# KiCad board XMS0004.kicad_pcb (continued)
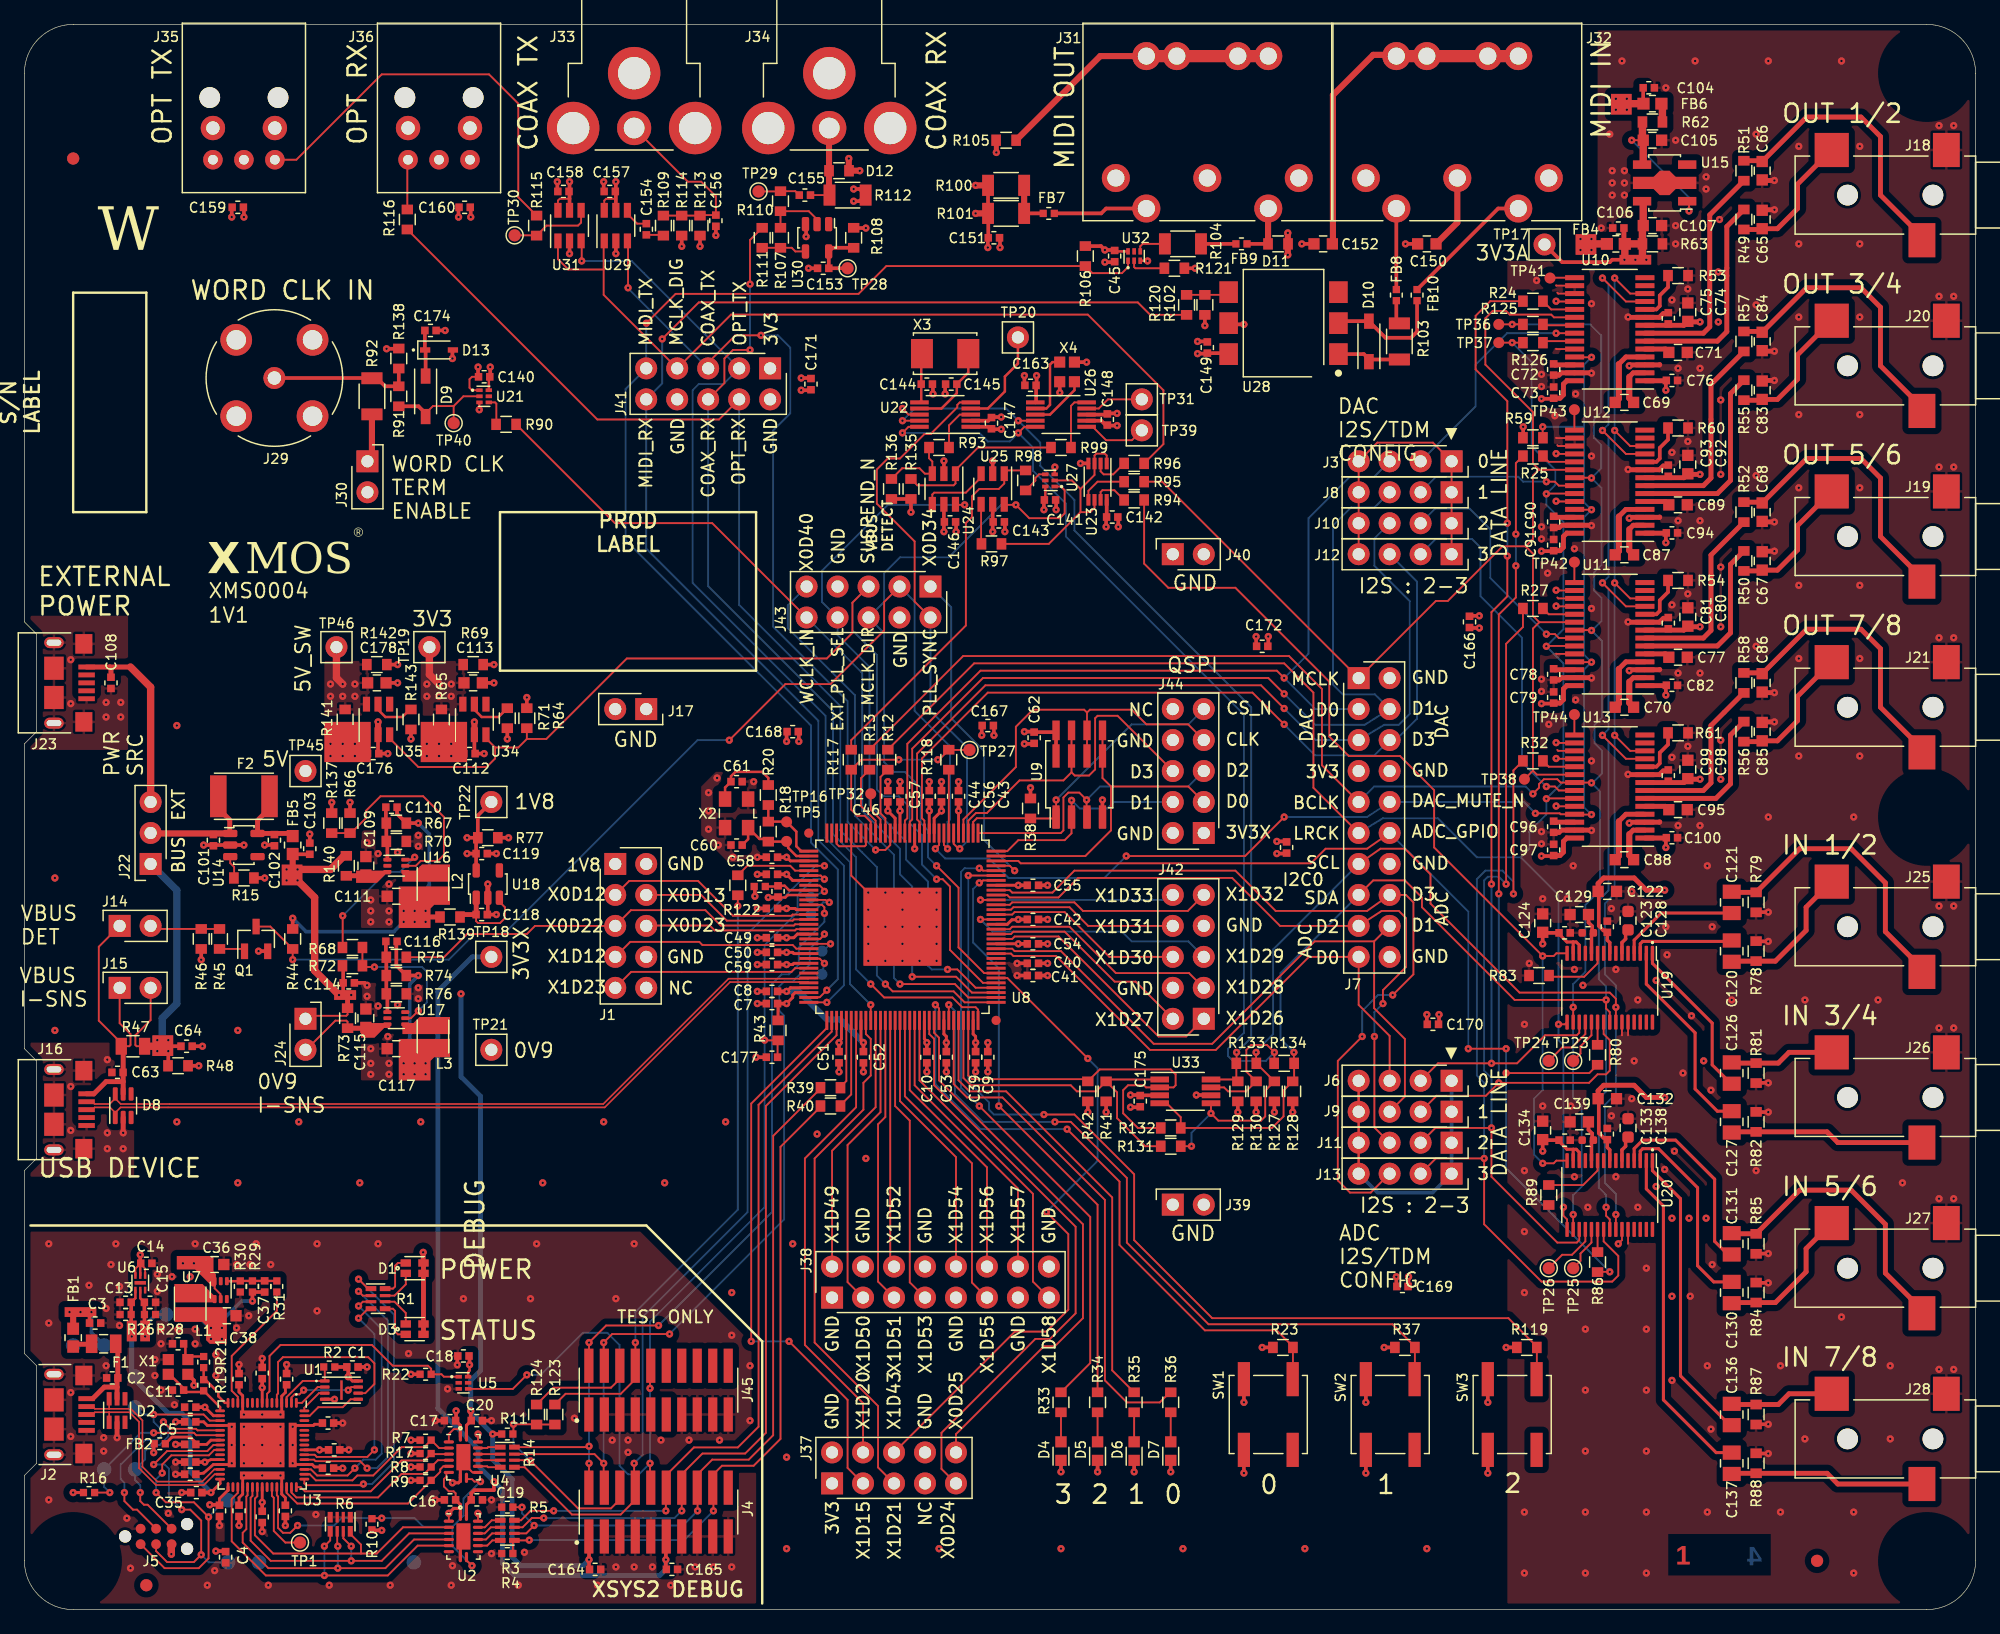
[diagram p0: board, top side]
## Routing (per net, layer and track width the routed paths; a pad name or vN(x,y) marks a point on that pad's centre or on a via; arc(x,y) is an arc through that point) (continued)
  Layer 4 (Bottom) w0.15: v1(128.5,67.8) 128.55,67.75 ; 128.55,67.75 129.35,68.55 129.35,70.45 128.75,71.05 128.75,72.55 129.35,73.15 129.35,79.45 128.55,80.25 ; 128.55,67.75 129.2,67.1 129.2,59 128,57.8 128,52.3 127,51.3 v1(127,49.4) 127,42 127.7,41.3 127.7,34.7 127,34 v1(127,32.4) ; 128.53,80.28 129.33,81.08 129.33,82.98 128.73,83.58 128.73,85.08 129.33,85.68 129.33,91.98 128.53,92.78 ; v1(123.7,66.9) 123.1,67.5 110.68,67.5 J7.9 ; v1(128.5,92.8) 129.3,93.6 129.3,95.5 128.7,96.1 128.7,97.6 129.3,98.2 129.3,104.5 128.4,105.4 v1(122,105.4)
BUT_0: length 51.9
  Layer 1 (Top) w0.15: U8.88 75,49.3 v1(74.7,49.6) ; v1(85.5,39.4) 89.8,35.1 89.8,29.9 96.8,22.9 102.69,22.9 104.02,21.57 104.02,18.92 SW1.1A
  Layer 4 (Bottom) w0.15: v1(85.5,39.4) 78.4,39.4 74.7,43.1 v1(74.7,49.6)
BUT_1: length 60.9
  Layer 1 (Top) w0.15: v1(84.5,40) 85.8,40 90.4,35.4 90.4,30.1 97.1,23.4 112.19,23.4 114.02,21.57 114.02,18.92 SW2.1A ; U8.90 v1(75.8,49.6)
  Layer 4 (Bottom) w0.15: v1(75.8,49.6) 76.3,49.1 76.3,42.3 78.6,40 v1(84.5,40)
BUT_2: length 81
  Layer 1 (Top) w0.15: v1(77.4,60.2) U8.123 ; SW3.1A 124.02,18.92 R119.1 124.02,21.57 121.69,23.9 97.4,23.9 91,30.3 91,35.7 86.1,40.6 v1(83.6,40.6)
  Layer 4 (Bottom) w0.15: v1(77.4,60.2) 77.4,43.3 79.1,41.6 79.1,41 79.5,40.6 v1(83.6,40.6)
COAX_RX: length 80.8
  Layer 1 (Top) w0.15: 78.17,48.35 U8.96 78.2,49.2 78,49.4 76.9,49.4 76.1,50.2 70.5,50.2 v1(69.4,51.3) ; v1(59.5,103.3) 58.1,103.3 57.4,102.6 57.4,100.58 J41.6 ; R111.2 59.5,112.32 v1(59.5,108.7)
  Layer 4 (Bottom) w0.15: v1(69.4,51.3) 68.2,52.5 68.2,61.7 66.3,63.6 66.3,73.7 56.07,83.93 J41.6 ; v1(59.5,103.3) v1(59.5,108.7)
COAX_TX: length 69.3
  Layer 1 (Top) w0.15: v1(69.8,62.3) 70.6,62.3 71,62.7 U8.19 ; J41.5 56.07,102.27 58.3,104.5 v1(60.4,104.5) ; v1(49.5,108.4) 49.5,112.2 U29.3
  Layer 4 (Bottom) w0.15: v1(69.8,62.3) 67.5,64.6 67.5,74.5 61.4,80.6 61.4,96.7 62.8,98.1 62.8,103.5 61.8,104.5 v1(60.4,104.5) ; v1(49.5,108.4) 49.5,108.36 J41.5
DAC_D0: length 19
  Layer 1 (Top) w0.15: v1(125.6,104.68) U10.22
  Layer 4 (Bottom) w0.15: v1(125.6,104.68) 121.58,104.68 119,102.1 119,98.68 J3.2
DAC_D1: length 13.5
  Layer 1 (Top) w0.15: v1(124.8,92.5) 125.5,92.5 125.83,92.18 U12.22
  Layer 4 (Bottom) w0.15: v1(124.8,92.5) 122.9,92.5 122.5,92.9 115.76,92.9 J8.2
DAC_D2: length 19.9
  Layer 1 (Top) w0.15: v1(124.8,80) 125.5,80 125.83,79.68 U11.22
  Layer 4 (Bottom) w0.15: J10.2 115.7,90.3 118.5,90.3 120.2,88.6 120.2,84.6 v1(124.8,80)
DAC_D3: length 30
  Layer 1 (Top) w0.15: U13.22 125.83,67.18 125.5,67.5 v1(124.8,67.5)
  Layer 4 (Bottom) w0.15: v1(124.8,67.5) 122.8,69.5 122.8,79.7 119.4,83.1 119.4,87.1 118.7,87.8 115.74,87.8 J12.2
DAC_MUTE_N: length 106.5
  Layer 1 (Top) w0.15: v1(124.5,97) 124.5,96.12 R59.1 ; U12.25 127.15,90.2 v1(128.5,90.2) ; v1(128.5,77.7) 127.15,77.7 U11.25 ; U8.9 75,62.7 v1(74.7,62.4) ; v1(128.5,65.2) 127.15,65.2 U13.25 125.98,65.23 125.9,65.3 v1(123.9,65.3) ; v1(90.35,61.8) 100.1,61.8 v1(103.3,65) ; v1(128.5,102.7) 127.15,102.7 U10.25
  Layer 4 (Bottom) w0.15: v1(74.7,62.4) 75.5,61.6 79.1,61.6 80.7,60 88.55,60 v1(90.35,61.8) ; 127.9,97 127.9,102.1 v1(128.5,102.7) ; 127.9,97 127.9,90.8 v1(128.5,90.2) 127.9,89.6 127.9,78.3 v1(128.5,77.7) 127.9,77.1 127.9,65.8 v1(128.5,65.2) ; 127.9,97 v1(124.5,97) ; v1(103.3,65) 110.1,65 J7.10 122.97,66.23 v1(123.9,65.3)
DBG_MARGIN: length 10.8
  Layer 1 (Top) w0.15: U3.13 17.5,17.45 17,17.95 17,20.8 20.7,24.5 R31.1
DBG_QSPI_CLK: length 15
  Layer 1 (Top) w0.15: U1.6 27.95,17.75 28.7,18.5 28.7,20.2 28.2,20.7 21.2,20.7 20.8,20.3 20.8,17.73 20.7,17.63 U3.5
DBG_QSPI_CS_N: length 5.3
  Layer 1 (Top) w0.15: R2.1 24.63,19.82 U1.1 22.83,18.75 21.5,17.43 U3.3
DBG_QSPI_D0: length 5
  Layer 1 (Top) w0.15: U3.59 23.4,15.9 24.1,16.6 26.1,16.6 26.75,17.25 U1.5
DBG_QSPI_D1: length 2.9
  Layer 1 (Top) w0.15: U1.2 24.05,18.25 22.75,16.96 U3.1
DBG_QSPI_D2: length 2.4
  Layer 1 (Top) w0.15: U1.3 24.15,17.75 22.95,16.56 U3.60
DBG_QSPI_D3: length 6.3
  Layer 1 (Top) w0.15: v1(22.9,18) 22.55,17.65 22.15,17.65 21.9,17.4 U3.2 ; v1(26.55,18) 26.8,18.25 U1.7
  Layer 4 (Bottom) w0.15: v1(22.9,18) v1(26.55,18)
DBG_USB_D_N: length 17
  Layer 1 (Top) w0.13: U3.28 15.58,11.5 14.58,10.5 10.9,10.5 9.68,11.72 9.68,15.52 8.73,16.47 6.95,16.47 ; 6.95,16.47 D2.6 ; 6.95,16.47 5.78,16.47 5.6,16.65 J2.2
DBG_USB_D_P: length 16.9
  Layer 1 (Top) w0.13: J2.3 5.6,16 5.78,16.19 6.95,16.19 ; U3.29 15.6,11.1 14.72,10.22 10.78,10.22 9.4,11.6 9.4,15.4 8.61,16.19 6.95,16.19 ; D2.1 6.95,16.19
DBG_VBUS: length 7.5
  Layer 1 (Top) w0.3: 7.6,18.84 7.7,18.94 ; J2.1 5.6,17.3
  Layer 1 (Top) w0.4: 7.6,18.25 6.55,18.25 5.6,17.3 ; 7.6,18.25 7.6,18.84 ; 7.6,18.25 D2.5 ; C2.1 7.66,21.63 F1.1
EXT_PLL_SEL: length 57
  Layer 1 (Top) w0.15: U24.6 76.4,90.6 v1(77.1,90.6) ; U8.100 78,51 76.5,52.5 v1(75.7,52.5)
  Layer 4 (Bottom) w0.15: v1(75.7,52.5) 74.4,52.5 74.1,52.8 74.1,59.7 72.3,61.5 72.3,63 69.3,66 69.3,77.3 66.68,79.92 J43.8 65.4,82.64 65.4,85.2 70.8,90.6 v1(77.1,90.6)
I2C0_SCL: length 156.4
  Layer 1 (Top) w0.15: J7.13 111.2,62.4 113.2,62.4 115.3,60.3 115.3,57.9 122.6,50.6 130,50.6 130.5,50.1 v1(130.5,49.4) U19.24 ; U12.12 131.68,95.43 v1(130.4,96.7) ; U20.24 v1(130.5,32.4) ; U11.12 131.68,82.93 v1(130.4,84.2) ; U10.12 131.68,107.93 v1(130.4,109.2) ; U13.12 131.68,70.43 v1(130.4,71.7) ; U33.5 97.3,41.52 v1(97.3,40.7) 97.9,40.1 101.4,40.1 101.75,40.45 101.75,42.57 R127.1 R133.2 101,44.82 v1(101,45.7) ; R131.1 v1(95.7,38)
  Layer 4 (Bottom) w0.15: J7.13 102.4,54.14 102.4,47.2 101,45.8 v1(101,45.7) ; v1(97.3,40.7) 95.7,39.1 v1(95.7,38) ; v1(130.4,109.2) v1(130.4,96.7) v1(130.4,84.2) v1(130.4,71.7) 130.4,58.7 129.6,57.9 129.6,52.1 130.5,51.2 v1(130.5,49.4) 130.5,42.3 129.6,41.4 129.6,35 130.5,34.1 v1(130.5,32.4)
I2C0_SDA: length 158.6
  Layer 1 (Top) w0.15: v1(104.1,45.7) 104.1,44.82 R134.2 104.12,43.44 R128.1 103.25,42.57 103.25,40.45 102.3,39.5 R132.1 94.82,40.38 93.68,41.53 U33.4 ; U11.11 131.33,82.28 v1(129.4,84.2) ; U10.11 131.33,107.28 v1(129.4,109.2) ; J7.15 110.6,59.8 113.2,59.8 114.6,58.4 114.6,57.6 122.2,50 v1(129.7,50) 129.7,49.3 130,49 U19.23 ; v1(129.4,96.7) 131.33,94.78 U12.11 ; U13.11 131.33,69.78 v1(129.4,71.7) ; U20.23 130,32 129.7,32.3 v1(129.7,33)
  Layer 4 (Bottom) w0.15: v1(129.7,33) 129.7,34 129.1,34.6 129.1,41.9 129.7,42.5 v1(129.7,50) 129.7,51.1 129.1,51.7 129.1,58.18 129.9,58.98 129.9,71.2 v1(129.4,71.7) 129.9,72.2 129.9,83.7 v1(129.4,84.2) 129.9,84.7 129.9,96.2 v1(129.4,96.7) 129.9,97.2 129.9,108.7 v1(129.4,109.2) ; J7.15 103,52.2 103,46.8 v1(104.1,45.7)
I2C1_SCL: length 77.9
  Layer 1 (Top) w0.15: 99.38,43.44 R133.1 99.4,44.82 v1(99.4,45.7) ; 99.38,43.44 99.35,43.48 U33.8 ; 99.38,43.44 R129.1 ; v1(81.5,97.5) U26.4 ; v1(72,97.5) U22.9
  Layer 4 (Bottom) w0.15: v1(72,97.5) 73,98.5 80.5,98.5 v1(81.5,97.5) 83.3,95.7 83.3,93.8 86.1,91 86.1,88.5 100.6,74 100.6,46.9 v1(99.4,45.7)
I2C1_SDA: length 87.5
  Layer 1 (Top) w0.15: v1(72,96.5) 72.5,97 U22.10 ; U33.7 98.38,42.83 98.7,42.5 100.18,42.5 R130.1 100.2,44.12 100.2,45.9 100.6,46.3 101.9,46.3 v1(102.5,45.7) 102.5,44.82 R134.1 ; v1(81.5,96.5) 82,97 U26.5
  Layer 4 (Bottom) w0.15: v1(72,96.5) 78.3,96.5 79,95.8 80.8,95.8 v1(81.5,96.5) 82.7,95.3 82.7,93.4 85.4,90.7 85.4,88 100,73.4 100,47.3 98.7,46 98.7,45.4 99.1,45 101.8,45 v1(102.5,45.7)
I2C_SCL: length 29.6
  Layer 1 (Top) w0.15: U8.93 77,43.6 77.6,43 85.8,43 86.3,42.5 87.88,42.5 R41.1 ; U33.1 88.86,43.48 R41.1 ; R131.2 91.9,38 89.6,40.3 89.6,42.42 R41.1
I2C_SDA: length 33.3
  Layer 1 (Top) w0.15: U8.94 77.4,43.8 77.7,43.5 87.02,43.5 R42.1 88.18,44.3 94,44.3 94.4,43.9 94.4,43 94.23,42.83 U33.2 91.98,42.83 91.8,43 90.5,43 90.1,42.6 90.1,40.7 91.3,39.5 R132.2
I2S_DAC_LOOP_D0: length 2.9
  Layer 1 (Top) w0.15: U10.19 125.2,106.62 R24.1
I2S_DAC_LOOP_D1: length 2.8
  Layer 1 (Top) w0.15: R25.1 125,94.13 U12.19
I2S_DAC_LOOP_D2: length 2.8
  Layer 1 (Top) w0.15: U11.19 125,81.63 R27.1
I2S_DAC_LOOP_D3: length 2.8
  Layer 1 (Top) w0.15: U13.19 125,69.13 R32.1
LED_0: length 42.8
  Layer 1 (Top) w0.15: R36.2 93.93,17.82 93.1,16.99 90.41,16.99 88.6,18.8 88.6,33.6 80.2,42 77.3,42 76.2,43.1 U8.91
LED_1: length 38.2
  Layer 1 (Top) w0.15: U8.92 76.6,43.4 77.5,42.5 80.5,42.5 89.2,33.8 89.2,19.62 R35.2
LED_2: length 47.7
  Layer 1 (Top) w0.15: v1(79.9,41.3) 88,33.2 R34.2 ; U8.122 78.61,59.8 78.41,59.6 v1(78.3,59.6)
  Layer 4 (Bottom) w0.15: v1(78.3,59.6) 77.8,59.1 77.8,54.7 79.9,52.6 v1(79.9,41.3)
LED_3: length 51.2
  Layer 1 (Top) w0.15: v1(78.3,60.8) 78.41,60.8 78.61,60.6 U8.124 ; R33.2 87.4,20.22 87.4,32.2 v1(78.3,41.3)
  Layer 4 (Bottom) w0.15: v1(78.3,60.8) 77.1,60.8 76.8,60.5 76.8,42.8 v1(78.3,41.3)
LED_A_GRN: length 23.3
  Layer 1 (Top) w0.15: v1(28.1,11.6) 27.52,12.18 23.88,12.18 23.75,12.3 U3.50 ; v1(27.4,26.1) 27.75,25.75 R1.2
  Layer 4 (Bottom) w0.15: v1(28.1,11.6) 28.9,11.6 29.8,12.5 29.8,23.7 v1(27.4,26.1)
LED_A_RED: length 26.1
  Layer 1 (Top) w0.15: R1.1 28.17,26.33 v1(27.4,27.1) ; v1(27.8,10.3) 27.7,10.2 23.1,10.2 22.95,10.35 U3.46
  Layer 4 (Bottom) w0.15: v1(27.8,10.3) 28.5,10.3 30.3,12.1 30.3,24.2 v1(27.4,27.1)
LED_B_GRN: length 18.7
  Layer 1 (Top) w0.15: v1(27.4,23.9) 28.17,24.68 R1.4 ; U3.51 23.8,12.7 23.97,12.53 28.12,12.53 v1(28.7,13.1)
  Layer 4 (Bottom) w0.15: v1(27.4,23.9) 28.7,22.6 v1(28.7,13.1)
LED_B_RED: length 21.3
  Layer 1 (Top) w0.15: v1(27.4,24.9) 27.75,25.25 R1.3 ; v1(27.1,11.6) 26.5,11 24,11 23.5,11.5 U3.48
  Layer 4 (Bottom) w0.15: v1(27.4,24.9) 29.3,23 29.3,12.8 28.8,12.3 27.8,12.3 v1(27.1,11.6)
LRCK: length 155.8
  Layer 1 (Top) w0.15: v1(124.8,91.5) 124.83,91.53 U12.23 ; U20.16 126.5,32 126.2,32.3 v1(126.2,33) ; R126.1 v1(122,103.9) TP37.1 ; J7.11 105.7,67.4 105.7,75.2 103.3,77.6 77.88,77.6 R12.2 ; v1(124.8,66.5) 124.83,66.53 U13.23 ; U11.23 124.83,79.03 v1(124.8,79) ; v1(125.8,48) 126.32,48 U19.16
  Layer 4 (Bottom) w0.15: v1(122,103.9) 123.6,102.3 123.6,95.4 125.53,93.47 125.53,92.23 v1(124.8,91.5) 124.8,90.6 126.2,89.2 126.2,80.4 v1(124.8,79) 126.2,77.6 126.2,67.9 v1(124.8,66.5) 124.8,65.2 123.4,63.8 123.4,62.4 122.7,61.7 ; 122.7,61.7 125.8,58.6 v1(125.8,48) 125.8,46.7 126.2,46.3 v1(126.2,33) ; 122.7,61.7 119.1,61.7 115.9,64.9 111.4,64.9 J7.11
MCLK_ADC: length 78.7
  Layer 1 (Top) w0.15: v1(124.5,36.6) 125.4,36.6 125.62,36.82 U20.15 ; U19.15 125.62,53.82 125.4,53.6 v1(124.5,53.6) 115.6,62.5 115.6,67.2 112.8,70 108.6,70 107,71.6 107,76.1 99.3,83.8 93.8,83.8 91.82,85.78 R94.2 92.1,91
  Layer 4 (Bottom) w0.15: v1(124.5,53.6) 124.5,42.6 123.8,41.9 123.8,37.3 v1(124.5,36.6)
MCLK_DAC: length 100.6
  Layer 1 (Top) w0.15: 124.23,80.98 U11.20 ; 124.23,80.98 123.7,80.45 123.7,68.8 ; 124.23,80.98 123.7,81.5 123.7,86.6 123.1,87.2 ; 124.2,93.5 123.7,94 123.7,98.2 119.8,102.1 119.8,105.9 120.4,106.5 121.5,106.5 121.8,106.2 125.2,106.2 125.43,105.98 U10.20 ; 124.2,93.5 123.7,93 123.7,87.8 123.1,87.2 ; 124.2,93.5 124.23,93.48 U12.20 ; 123.1,87.2 121.2,87.2 116.72,82.72 115.74,82.72 J7.1 93.3,92.5 R95.2 ; TP38.1 123.7,68.8 ; 123.7,68.8 124.03,68.48 U13.20
MCLK_DIG: length 69.5
  Layer 1 (Top) w0.15: 47.5,109.9 47.5,107.82 J41.7 57.94,106.2 87.2,106.2 93.4,100 93.4,95.58 R96.2 ; 47.5,109.9 44.6,109.9 43.75,110.75 U31.1 ; 47.5,109.9 47.5,112.2 U29.1
MCLK_DIR: length 60.3
  Layer 1 (Top) w0.15: U27.1 85,92.1 85.3,91.8 85.3,89.9 84.9,89.5 82.4,89.5 v1(81.3,90.6) 80.4,90.6 U25.6 ; v1(74.8,61) 76.6,59.2 76.6,54.3 78.7,52.2 U8.103
  Layer 4 (Bottom) w0.15: v1(74.8,61) 74.1,61.7 74.1,63.9 73.5,64.5 73.5,67.4 72.2,68.7 71.3,68.7 70.5,69.5 70.5,80.08 J43.6 70.5,82.64 70.5,85 71.8,86.3 75.8,86.3 80.1,90.6 v1(81.3,90.6)
MCLK_X_PIN: length 16.6
  Layer 1 (Top) w0.15: U8.23 69.4,64.6 68.9,65.1 68.3,65.1 67.8,65.6 R117.1 68.62,69.7 v1(71.7,69.7) ; v1(74.9,69.7) 75,69.7 75.8,70.5 TP27.1
  Layer 4 (Bottom) w0.15: v1(71.7,69.7) v1(74.9,69.7)
MCLK_XMOS: length 30.7
  Layer 1 (Top) w0.15: R117.2 67.8,71.3 77.2,80.7 77.2,89.1 77.7,89.6 77.7,91.3 78.3,91.9 79.9,91.9 80.35,92.35 U25.1 80.62,93.42 R98.2 82.05,93.37
MIDI_RX: length 108.4
  Layer 1 (Top) w0.15: R120.2 92.32,106.18 91.3,107.2 55.3,107.2 v1(52.3,104.2) ; U8.64 v1(65.8,49.8)
  Layer 4 (Bottom) w0.15: v1(65.8,49.8) 67.2,51.2 67.2,61 65.1,63.1 65.1,72.9 50.99,87.01 J41.10 52.3,100.56 v1(52.3,104.2)
MIDI_TX: length 107.1
  Layer 1 (Top) w0.15: U32.1 90.5,110.1 90,109.6 87.58,109.6 R106.1 70.68,110.18 68.4,107.9 53.4,107.9 v1(51,105.5) ; U8.63 64.34,50.22 65.22,50.22 v1(65.8,50.8)
  Layer 4 (Bottom) w0.15: v1(65.8,50.8) 66.7,51.7 66.7,60.7 64.5,62.9 64.5,72.5 49.3,87.7 49.3,100.1 J41.9 50.99,105.49 v1(51,105.5)
NetC5_1: length 5.2
  Layer 1 (Top) w0.23: U3.22 15.3,13.9 14.95,13.55 C5.1 14.06,13.69 13.6,14.15 12.1,14.15 FB2.1
NetC6_1: length 3.7
  Layer 1 (Top) w0.2: FB3.1 61.74,59.3 C6.1 62.34,59.36 62.7,59 U8.41
NetC11_1: length 5.7
  Layer 1 (Top) w0.2: 14.8,17.85 16.05,16.61 U3.16 ; R19.1 14.7,17.85 13.21,17.85 C11.1 13.06,18.14 11.91,19.3 X1.1
NetC12_1: length 2.8
  Layer 1 (Top) w0.2: R21.1 13.66,20.76 X1.3 13.2,20.71 13.2,21.66 C12.1
NetC37_2: length 4.1
  Layer 1 (Top) w0.2: U7.1 17.68,26.94 R30.2 R29.1 19.69,26.96 C37.2 19.7,26.96 R31.2
NetC60_1: length 7.9
  Layer 1 (Top) w0.15: 62.63,62.87 TP5.1 62.48,62.98
  Layer 1 (Top) w0.2: 62.63,62.87 62.63,62.47 63.3,61.8 U8.34 ; 58.88,62.68 C60.1 59.35,63.19 X2.1 60.28,63.2 60.78,63.2 R18.1 62.48,62.98
NetC61_1: length 6.1
  Layer 1 (Top) w0.15: 60.98,67.6 R20.1
  Layer 1 (Top) w0.2: X2.3 57.46,67.42 C61.1 57.94,68.34 58.3,68.7 60.5,68.7 61,68.2 R20.1
NetC69_1: length 3.7
  Layer 1 (Top) w0.4: U10.2 131.93,101.43 131.6,101.1
  Layer 1 (Top) w0.5: 131.6,101.1 131.6,99.36 C69.1
NetC69_2: length 5.6
  Layer 1 (Top) w0.4: 130.75,102.15 131.33,102.73 U10.4
  Layer 1 (Top) w0.5: 130.75,102.15 130.75,99.3 C69.2
NetC70_1: length 3.7
  Layer 1 (Top) w0.4: 131.6,76.1 131.93,76.43 U11.2
  Layer 1 (Top) w0.5: 131.6,76.1 131.6,74.36 C70.1
NetC70_2: length 5.6
  Layer 1 (Top) w0.4: 130.75,77.15 131.33,77.73 U11.4
  Layer 1 (Top) w0.5: C70.2 130.75,74.3 130.75,77.15
NetC71_1: length 2.1
  Layer 1 (Top) w0.4: U10.5 134.57,103.38 C71.1
NetC72_1: length 1.8
  Layer 1 (Top) w0.4: U10.26 125.49,102.08 C72.1
NetC77_1: length 2.1
  Layer 1 (Top) w0.4: C77.1 134.57,78.38 U11.5
NetC78_1: length 1.6
  Layer 1 (Top) w0.4: 125.49,77.08 U11.26
NetC87_1: length 3.7
  Layer 1 (Top) w0.4: 131.6,88.6 131.93,88.93 U12.2
  Layer 1 (Top) w0.5: C87.1 131.6,86.86 131.6,88.6
NetC87_2: length 5.6
  Layer 1 (Top) w0.4: 130.75,89.65 131.33,90.23 U12.4
  Layer 1 (Top) w0.5: 130.75,89.65 130.75,86.8 C87.2
NetC88_1: length 3.7
  Layer 1 (Top) w0.4: 131.6,63.6 131.93,63.93 U13.2
  Layer 1 (Top) w0.5: 131.6,63.6 131.6,61.86 C88.1
NetC88_2: length 5.6
  Layer 1 (Top) w0.4: 130.75,64.65 131.33,65.23 U13.4
  Layer 1 (Top) w0.5: C88.2 130.75,61.8 130.75,64.65
NetC89_1: length 2.1
  Layer 1 (Top) w0.4: C89.1 134.57,90.88 U12.5
NetC90_1: length 1.8
  Layer 1 (Top) w0.4: C90.1 125.49,89.58 U12.26
NetC95_1: length 2.1
  Layer 1 (Top) w0.4: U13.5 134.57,65.88 C95.1
NetC96_1: length 1.8
  Layer 1 (Top) w0.4: U13.26 125.49,64.58 C96.1
NetC101_1: length 9.9
  Layer 1 (Top) w0.4: F2.1 15.9,65.7 16.84,64.76 16.84,63.69 ; J22.2 10.39,63.65
  Layer 1 (Top) w0.5: 10.39,63.65 U14.1
NetC102_1: length 6.4
  Layer 1 (Top) w0.4: FB5.1 21.79,63.65 U14.5 19.12,64.72 20.1,65.7 F2.2
NetC105_1: length 13.1
  Layer 1 (Top) w0.15: v1(131.8,120.5) C105.1 ; v1(136.5,114.7) 136.5,115.35 U15.1
  Layer 1 (Top) w0.6: 132.85,118.5 132.75,118.61 C105.1 132.68,120.57 R62.2
  Layer 4 (Bottom) w0.15: v1(136.5,114.7) 136.5,115.8 v1(131.8,120.5)
NetC108_1: length 16.2
  Layer 1 (Top) w0.4: J23.1 7,77.3 ; 7,77.3 8.7,77.3 ; 7,77.3 7.1,77.2 C108.1
  Layer 1 (Top) w0.6: 8.7,77.3 10.35,75.65 J22.3
NetC109_1: length 1.6
  Layer 1 (Top) w0.4: R140.1 27.94,60.18 C109.1
NetC110_2: length 4.2
  Layer 1 (Top) w0.3: C110.2 29.64,64.54 R67.1 R70.2 ; U16.1 29.77,62.92
NetC115_1: length 6.5
  Layer 1 (Top) w0.15: R73.2 26.5,48.2 26.4,48.3 25.5,48.3 23.11,45.91 J24.2
  Layer 1 (Top) w0.4: R73.2 27.94,47.68 C115.1
NetC116_2: length 5.9
  Layer 1 (Top) w0.3: C116.2 29.64,53.54 R75.2 R74.1 R76.2 29.77,50.42 U17.1
NetC118_1: length 7.8
  Layer 1 (Top) w0.15: C118.1 37.04,56.46 37.2,56.3 39,56.3 39.4,56.7 39.4,57.6 38.95,58.05 U18.3
  Layer 1 (Top) w0.4: U18.1 37.05,57.01 C118.1 35.92,57 R139.2
NetC120_2: length 8.4
  Layer 1 (Top) w0.25: C120.2 139.93,54.8 132.7,54.8 132.5,54.6 U19.3
NetC121_2: length 10
  Layer 1 (Top) w0.25: C121.2 134.23,57.13 132,54.9 U19.4
NetC126_2: length 13.4
  Layer 1 (Top) w0.25: U19.1 133.5,53 138.4,48.1 138.4,44.68 139.98,43.1 C126.2
NetC127_2: length 16.5
  Layer 1 (Top) w0.25: U19.2 133,51.3 137,47.3 137,42.7 138.83,40.88 C127.2
NetC128_1: length 2.1
  Layer 1 (Top) w0.28: C128.1 131.3,55.55 131.3,55 131,54.7 U19.6
NetC129_1: length 3.5
  Layer 1 (Top) w0.28: U19.11 128.5,55.46
  Layer 1 (Top) w0.3: 127.96,57 128.1,56.86 ; 128.56,55.5 128.56,56.04 128.26,56.35 C129.1
NetC130_2: length 16.6
  Layer 1 (Top) w0.25: C130.2 138.53,26.88 137.2,28.2 137.2,34.6 134,37.8 132.7,37.8 132.5,37.6 U20.3
NetC131_2: length 16.1
  Layer 1 (Top) w0.25: U20.4 132,37.8 132.7,38.5 135.4,38.5 138.6,35.3 138.6,30.2 139.68,29.13 C131.2
NetC136_2: length 24.5
  Layer 1 (Top) w0.25: U20.1 133.5,36 135.8,33.7 135.8,19.17 139.85,15.13 C136.2
NetC137_2: length 27.6
  Layer 1 (Top) w0.25: U20.2 133,34.5 134.4,33.1 134.4,17.2 138.73,12.88 C137.2
NetC138_1: length 2.1
  Layer 1 (Top) w0.28: C138.1 131.3,38.55 131.3,38 131,37.7 U20.6
NetC139_1: length 3.5
  Layer 1 (Top) w0.28: U20.11 128.5,38.46
  Layer 1 (Top) w0.3: 128.56,38.5 128.56,39.04 128.26,39.35 C139.1 ; 127.96,40 128.1,39.86
NetC144_1: length 4.1
  Layer 1 (Top) w0.2: X3.1 73.54,102.94 C144.1 73.54,99.15 U22.6
NetC145_1: length 7.2
  Layer 1 (Top) w0.2: X3.2 77.4,101.44 C145.1 76.46,99.76 75.2,98.5 U22.7
NetC150_1: length 6.2
  Layer 1 (Top) w0.5: 117.5,117.5 117.5,113.75 C150.1
NetC152_1: length 28.8
  Layer 1 (Top) w0.5: 112.5,127.5 110.6,127.5 107.3,124.2 107.3,112.05 C152.1
  Layer 1 (Top) w1: J32.SH J32.SH J32.SH J32.SH
NetC153_1: length 5.1
  Layer 1 (Top) w0.3: R108.2 66.27,111.68 65.96,111.37 ; U30.5 65.96,111.37 ; 65.96,111.37 C153.1 TP28.1
NetC154_1: length 2.3
  Layer 1 (Top) w0.15: U29.4 49.45,114.45 50.24,113.66 C154.1 50.9,113.77
NetC154_2: length 1.4
  Layer 1 (Top) w0.15: C154.2 52.34,112.74 R109.1
NetC155_1: length 7.1
  Layer 1 (Top) w0.15: C155.1 65.98,116
  Layer 1 (Top) w0.5: J34.1 65.98,121.48 D12.2 65.98,116 ; 65.98,122.48 66,122.5
NetC155_2: length 3.5
  Layer 1 (Top) w0.15: C155.2 63.22,116.32 R110.1 61.98,116.3 TP29.1
NetC156_1: length 14.9
  Layer 1 (Top) w0.15: J33.1 54.4,117.1 55.5,117.1 56.7,115.9 C156.1 55.44,114.36 R113.2 R114.2 R109.2
NetC174_1: length 3.8
  Layer 1 (Top) w0.15: 32.9,103.26 D13.1 32.84,103.32
  Layer 1 (Top) w0.3: 32.84,103.32 C174.1 ; D9.1 32.9,103.26
NetD1_3: length 3
  Layer 1 (Top) w0.15: D1.3 31.27,26.68 30.35,25.75 R1.7
NetD1_4: length 3.6
  Layer 1 (Top) w0.15: D1.4 30.62,28.43 30.4,28.2 30.4,26.5 30.22,26.33 R1.8
NetD3_3: length 3.6
  Layer 1 (Top) w0.15: D3.3 30.62,22.58 30.4,22.8 30.4,24.5 30.22,24.68 R1.5
NetD3_4: length 3
  Layer 1 (Top) w0.15: R1.6 30.35,25.25 31.27,24.33 D3.4
NetD4_2: length 2.4
  Layer 1 (Top) w0.15: D4.2 R33.1
NetD5_2: length 2.4
  Layer 1 (Top) w0.15: D5.2 R34.1
NetD6_2: length 2.4
  Layer 1 (Top) w0.15: D6.2 R35.1
NetD7_2: length 2.4
  Layer 1 (Top) w0.15: D7.2 R36.1
NetD9_2: length 9.1
  Layer 1 (Top) w0.15: D9.2 32.9,98.1 33.5,98.7 35.2,98.7 ; 35.2,98.7 36,99.5 U21.2 ; 35.2,98.7 TP40.1
  Layer 1 (Top) w0.3: R91.2 32.32,98.68 32.9,98.1
NetD10_1: length 5.5
  Layer 1 (Top) w0.3: R103.2 110.43,102.52 D10.1 110.25,102.55 109.84,102.96 U28.1
NetD10_2: length 9.8
  Layer 1 (Top) w0.3: FB10.2 114.2,104.8 113.7,104.3 111.61,104.3 D10.2 107.91,105.66 U28.2
NetD11_2: length 4.7
  Layer 1 (Top) w0.3: FB9.1 D11.2
  Layer 1 (Top) w0.5: 102,115 101.98,114.98 D11.2
NetF1_2: length 1.5
  Layer 1 (Top) w0.4: F1.2 5.48,21.77 4,21.77
NetFB6_2: length 1.5
  Layer 1 (Top) w0.6: R62.1 134.32,123.42 FB6.2
NetFB7_1: length 7.7
  Layer 1 (Top) w0.3: J31.4 88.7,114.9 88.3,114.5 FB7.1
NetFB7_2: length 3.9
  Layer 1 (Top) w0.3: R101.1 FB7.2
  Layer 1 (Top) w0.5: R101.1 R100.1
NetFB8_1: length 6.8
  Layer 1 (Top) w0.3: 112.5,115 FB8.1 112.51,108.25
NetFB8_2: length 2
  Layer 1 (Top) w0.3: FB8.2 112.5,105.73 R103.1 112.76,105.49
NetFB9_2: length 2.9
  Layer 1 (Top) w0.3: R104.2 FB9.2
NetFB10_1: length 11.1
  Layer 1 (Top) w0.3: FB10.1 120.85,114.9 J32.5
NetJ3_1: length 24.1
  Layer 1 (Top) w0.15: J12.1 J10.1 J8.1 J3.1 115.5,95.7 110.94,95.7 J3.4 J8.4 J10.4 J12.4
NetJ6_1: length 24.1
  Layer 1 (Top) w0.2: J6.4 J9.4 J11.4 J13.4
  Layer 4 (Bottom) w0.3: J6.1 J9.1 J11.1 J13.1 115.48,34.2 110.96,34.2 J13.4
NetJ14_2: length 5.8
  Layer 1 (Top) w0.15: R45.1 R46.2 10.6,55.82 J14.2
NetJ29_1: length 11.9
  Layer 1 (Top) w0.15: R92.2 28.92,100.98
  Layer 1 (Top) w0.3: R138.2 R91.1 29.58,100.32 28.92,100.98 ; J29.1 28.5,101
NetJ30_1: length 4
  Layer 1 (Top) w0.15: J30.1 28.5,94.54
  Layer 1 (Top) w0.5: 28.5,94.54 R92.1
NetJ31_SH: length 23.5
  Layer 1 (Top) w0.5: R105.2 88.22,127.4 J31.SH
  Layer 1 (Top) w1: J31.SH J31.SH J31.SH J31.SH
NetJ35_3: length 33.7
  Layer 1 (Top) w0.15: J35.3 22.3,118.9 29.3,125.9 38.1,125.9 40.5,123.5 40.5,115.82 R115.2
NetJ36_1: length 4.1
  Layer 1 (Top) w0.15: R116.1 31.4,118.84 J36.1
NetQ1_1: length 2.1
  Layer 1 (Top) w0.15: Q1.1 17.86,54.18 R45.2
NetR3_1: length 2.1
  Layer 1 (Top) w0.15: U2.14 37.75,6.75 38.33,7.33 R3.1
NetR3_2: length 2
  Layer 1 (Top) w0.15: U2.13 37.75,6.25 38.25,6.75 R3.2
NetR3_3: length 2
  Layer 1 (Top) w0.15: R3.3 38.35,6.25 37.85,5.75 U2.12
NetR3_4: length 2
  Layer 1 (Top) w0.15: R3.4 38.38,5.68 37.95,5.25 U2.11
NetR12_1: length 5.6
  Layer 1 (Top) w0.15: U8.20 70.6,64.9 70.2,65.3 70.2,68.28 R12.1
NetR13_1: length 6
  Layer 1 (Top) w0.15: R13.1 68.6,68.18 68.6,65.9 69.8,64.7 U8.22
NetR14_1: length 1.9
  Layer 1 (Top) w0.15: R14.1 38.02,13.33 37.95,13.25 U4.14
NetR14_2: length 1.8
  Layer 1 (Top) w0.15: U4.13 R14.2
NetR14_3: length 1.8
  Layer 1 (Top) w0.15: U4.12 R14.3
NetR14_4: length 1.9
  Layer 1 (Top) w0.15: U4.11 37.95,11.75 38.02,11.68 R14.4
NetR15_2: length 1.9
  Layer 1 (Top) w0.15: R15.2 17.2,60.02 17.2,60.9 16.88,61.22 U14.3
NetR18_2: length 6.4
  Layer 1 (Top) w0.15: 62.48,64.62 TP16.1
  Layer 1 (Top) w0.2: TP16.1 63.3,63.8 63.3,62.6 63.7,62.2 U8.33 ; 62.48,64.62 R18.2 R20.2
NetR19_2: length 4
  Layer 1 (Top) w0.2: U3.15 16.44,16.96 15.9,17.5 15.9,17.8 14.84,18.86 R19.2 R21.2
NetR39_1: length 5.7
  Layer 1 (Top) w0.15: R39.1 66.92,42.87 67.4,43.35 U8.69
NetR40_1: length 7.4
  Layer 1 (Top) w0.15: R40.1 66.92,41.37 67.8,42.25 U8.70
NetR49_1: length 17.6
  Layer 1 (Top) w0.4: R49.1 139.6,113.42 139.6,104.8 138.83,104.03 U10.6
NetR50_1: length 14.6
  Layer 1 (Top) w0.4: R50.1 139.9,85.72 139.9,80.1 138.83,79.03 U11.6
NetR51_1: length 18.7
  Layer 1 (Top) w0.4: R51.1 138.2,114.38 138.2,105.2 137.68,104.68 U10.7
NetR52_1: length 15.7
  Layer 1 (Top) w0.4: R52.1 138.3,86.48 138.3,80.3 137.68,79.68 U11.7
NetR53_2: length 4.1
  Layer 1 (Top) w0.3: U10.10 133.83,106.62 134.1,106.9 134.1,107.77 134.78,108.45 R53.2
NetR54_2: length 4.1
  Layer 1 (Top) w0.3: R54.2 134.78,83.45 134.1,82.77 134.1,81.9 133.83,81.63 U11.10
NetR55_1: length 16.1
  Layer 1 (Top) w0.4: R55.1 139.9,99.72 139.9,92.6 138.83,91.53 U12.6
NetR56_1: length 13.1
  Layer 1 (Top) w0.4: R56.1 139.9,71.72 139.9,67.72 138.71,66.53 U13.6
NetR57_1: length 17.2
  Layer 1 (Top) w0.4: U12.7 137.68,92.18 138.3,92.8 138.3,100.48 R57.1
NetR58_1: length 14.2
  Layer 1 (Top) w0.4: R58.1 140.98,75.18 138.3,72.5 138.3,67.8 137.68,67.18 U13.7
NetR60_2: length 4.1
  Layer 1 (Top) w0.3: R60.2 134.78,95.95 134.1,95.27 134.1,94.4 133.83,94.13 U12.10
NetR61_2: length 4.1
  Layer 1 (Top) w0.3: R61.2 134.78,70.95 134.1,70.27 134.1,69.4 133.83,69.13 U13.10
NetR66_1: length 18.1
  Layer 1 (Top) w0.15: R137.2 R66.1 26.78,63.68 28,64.9 28,65.5 29.2,66.7 32.7,66.7 34.4,65 34.4,61.9 33.9,61.4 32.5,61.4 32.1,61 U16.5
NetR68_1: length 11.8
  Layer 1 (Top) w0.15: v1(32.3,49.1) 31.7,48.5 U17.5 ; R68.1 R72.1 27.82,52.7 v1(28.7,52.7)
  Layer 4 (Bottom) w0.15: v1(32.3,49.1) 33,49.8 33,52.3 32.6,52.7 v1(28.7,52.7)
NetR68_2: length 11.3
  Layer 1 (Top) w0.15: R68.2 26.1,54.32 v1(26.1,56.9)
  Layer 1 (Top) w0.2: U16.6 31.8,61.5 v1(32,61.7)
  Layer 4 (Bottom) w0.15: v1(26.1,56.9) 29.7,60.5 30.8,60.5 v1(32,61.7)
NetR71_2: length 3.7
  Layer 1 (Top) w0.2: R71.2 38.88,73.2 37.5,73.2 36.9,73.8 U34.5
NetR80_2: length 1.9
  Layer 1 (Top) w0.15: R80.2 U19.21
NetR83_1: length 5
  Layer 1 (Top) w0.15: 125.3,51.9 127.9,51.9 129,53 U19.10 ; 124.82,51.93 124.82,52
NetR86_2: length 1.9
  Layer 1 (Top) w0.15: R86.2 U20.21
NetR89_1: length 5.3
  Layer 1 (Top) w0.15: U20.10 129,36 127.82,34.82 R89.1
NetR90_1: length 2.4
  Layer 1 (Top) w0.15: 38.67,97.22 R90.1 38.7,97.22 38.7,98.9 38.6,99 U21.4
NetR93_1: length 4
  Layer 1 (Top) w0.15: R93.1 75.82,97.12 76.7,98 U22.3
NetR93_2: length 6.4
  Layer 1 (Top) w0.15: R136.2 71.98,93.6 73.4,93.6 73.85,93.16 U24.3 74.45,94.15 74.18,94.42 R93.2 74.35,95.13
NetR94_1: length 3
  Layer 1 (Top) w0.15: U23.7 88.25,91.65 88.4,91.8 89.38,91.8 R94.1
